# Allegro board RK_EVB1_RK3576_LP4XD200P132SD6_V12_20240530YWQ.brd (continued)
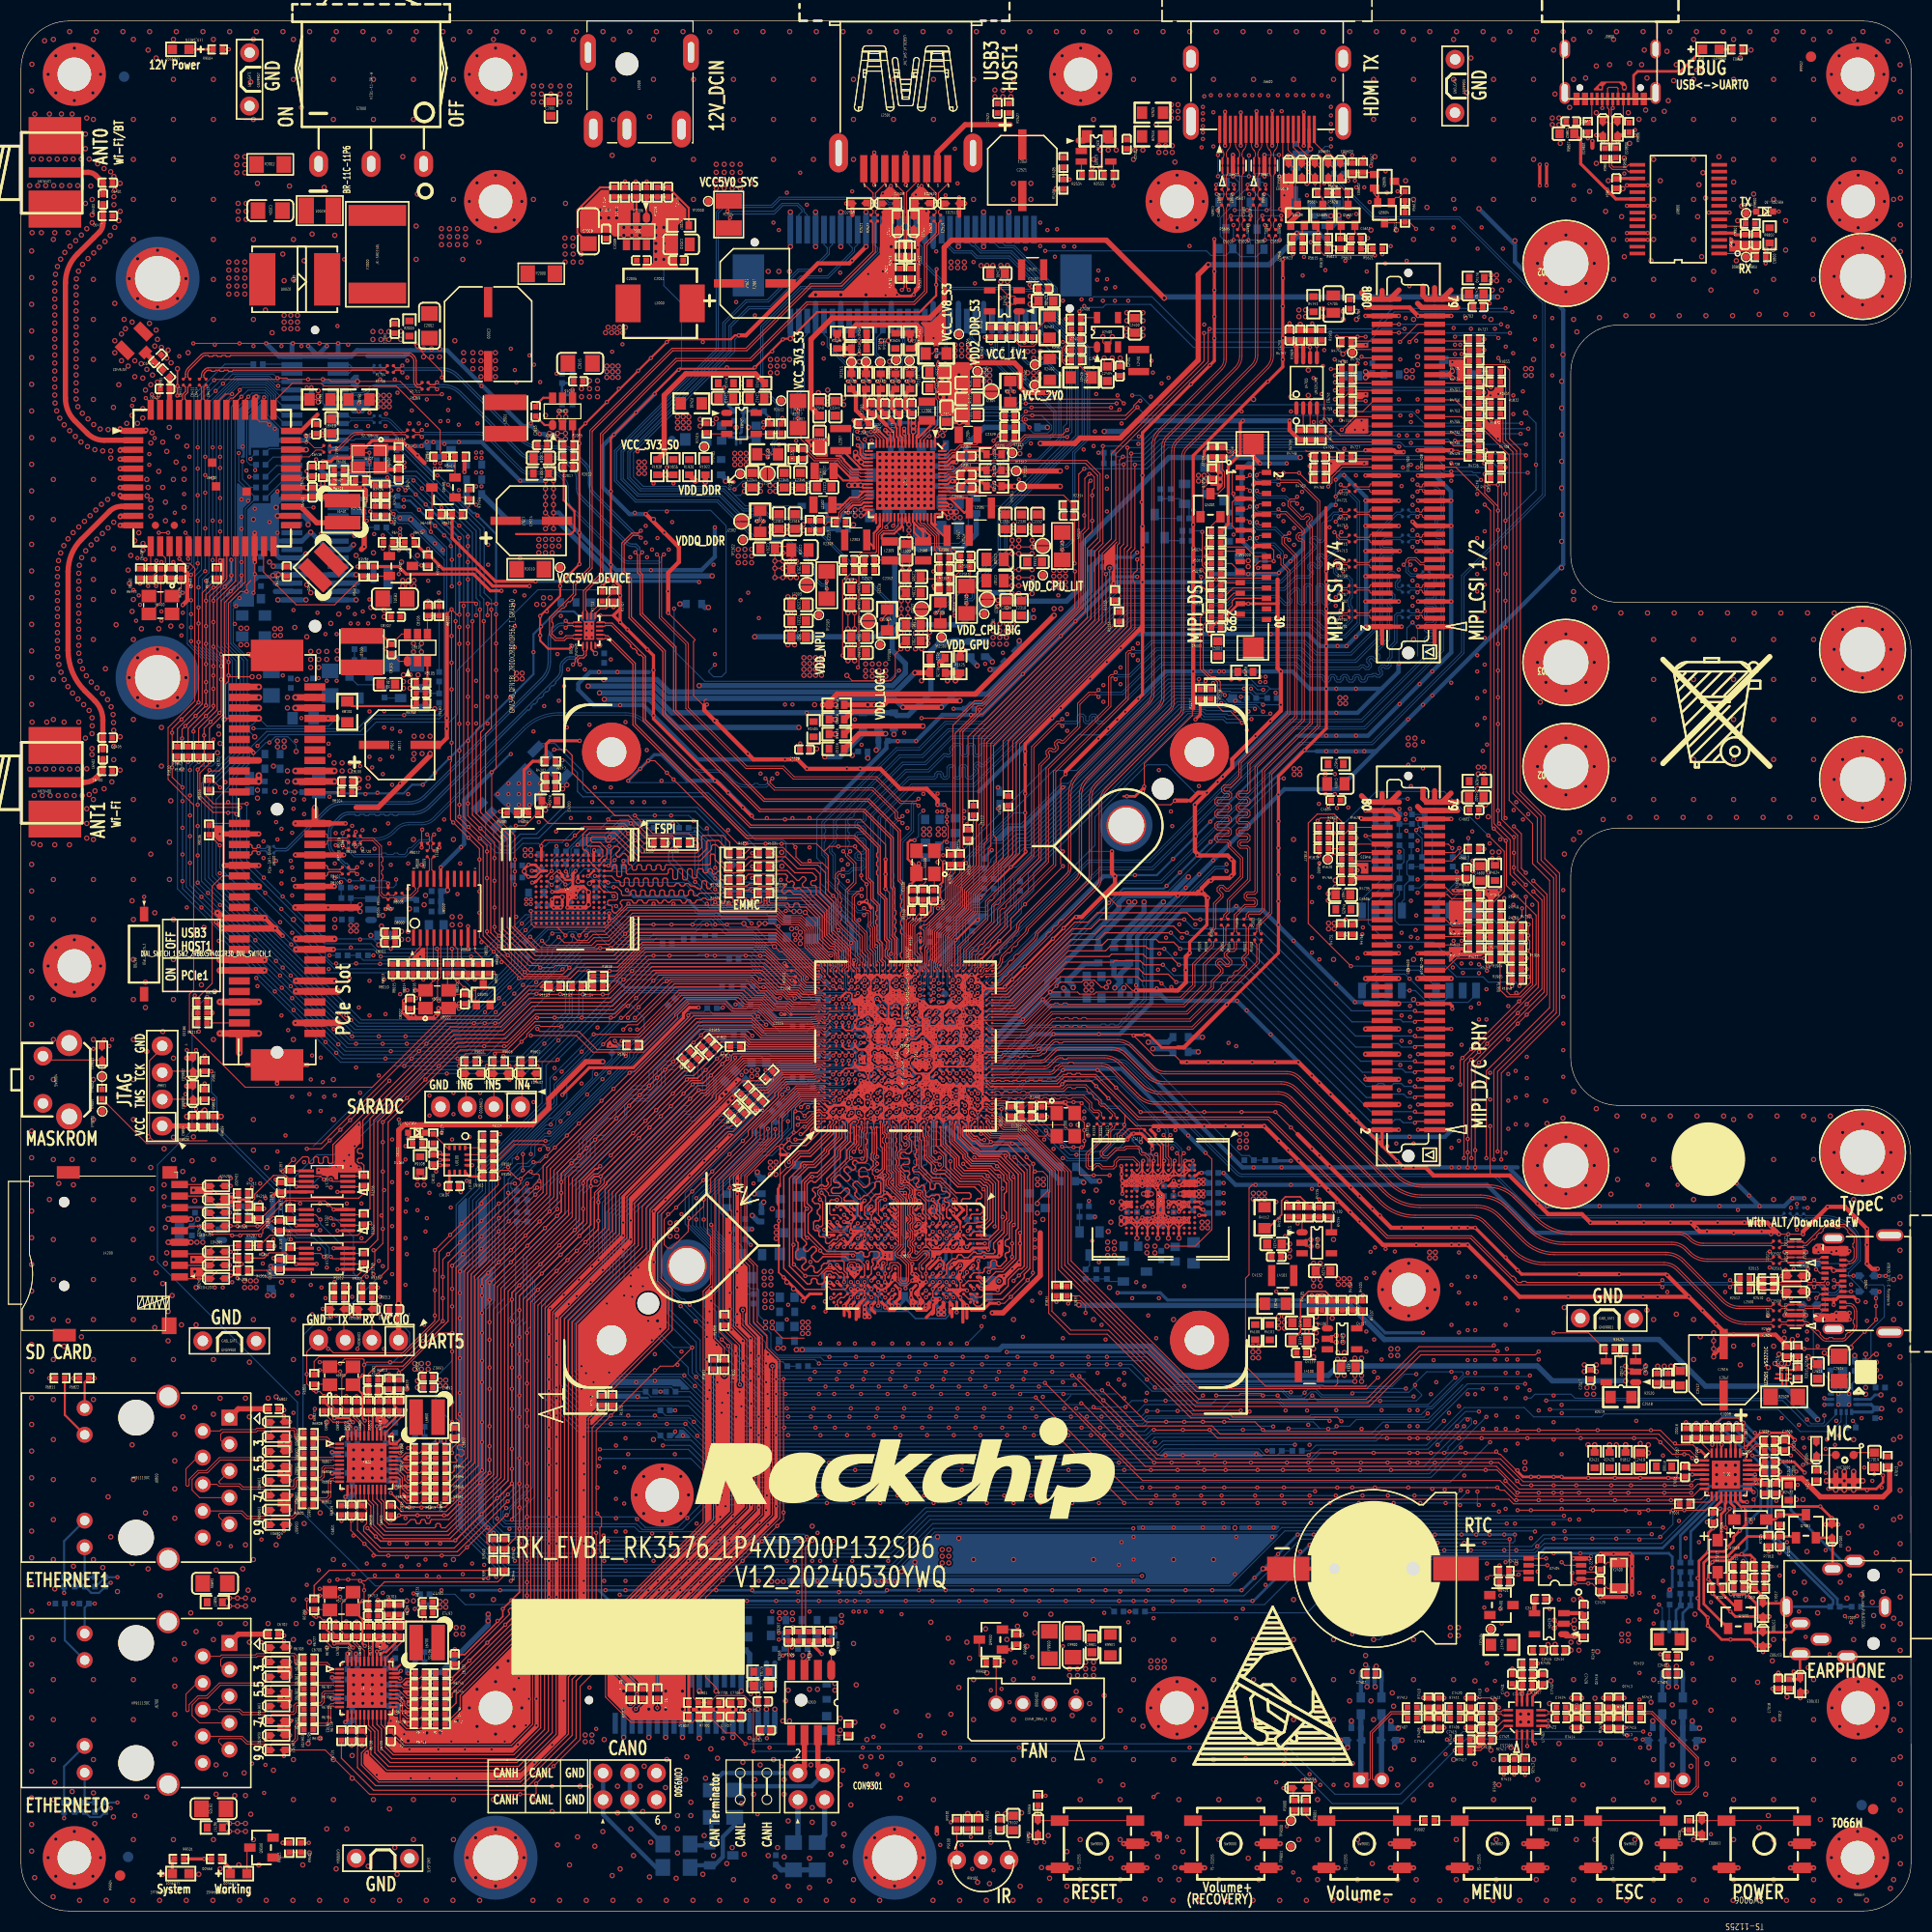
[diagram p0: board, top side]
## Routing (per net, layer and track width the routed paths; a pad name or vN(x,y) marks a point on that pad's centre or on a via; arc(x,y) is an arc through that point) (continued)
GPIO3_B5_D: length 10.3
  TOP w0.089: 75.32,79.87 75.35,79.9 76.97,79.9 U1000.1A9
  TOP w0.114: R1930.1 69.94,78.43 71.03,78.43 72.47,79.87 75.32,79.87
GPIO3_B6_D: length 5.3
  TOP w0.089: 75.72,80.32 75.83,80.44 76.1,80.44 76.37,80.17 U1000.B11
  TOP w0.114: 75.72,80.32 71.91,80.32 R1931.1
GPIO3_C2_D: length 7
  TOP w0.089: U1000.B9 76.37,79.07 76.1,79.34 75.75,79.34 75.63,79.21
  TOP w0.114: 75.63,79.21 72.77,79.21 R1932.1
GPIO3_C3_D: length 9.8
  TOP w0.089: U1000.1A8 77.02,79.35 76.43,79.35 76.26,79.52 75.65,79.52 75.56,79.43
  TOP w0.114: 75.56,79.43 72.64,79.43 71.13,77.92 70.8,77.92 R1933.1
GPIO3_C5_D: length 184.6
  TOP w0.102: U1000.1B9 v1(77.34,79.67) ; R1946.1 R1947.1 140.87,94.71 v1(141.43,94.14)
  L4-SIG w0.102: v1(141.43,94.14) 141.77,93.8 141.77,90.75 142.53,89.99 142.53,88.97 143.06,88.45 143.06,73.87 142.53,73.35 142.53,66.62 143.25,65.9 v1(143.25,50.21)
  BOTTOM w0.102: v1(77.34,79.67) 77.18,79.83 72.6,79.83 67.86,75.1 66.56,75.1 57.72,66.26 57.72,62.3 57.44,62.03 57.44,60.15 53.03,55.74 53.03,51.51 53.66,50.87 62.81,50.87 68.78,44.9 107.1,44.9 107.67,45.47 128.63,45.47 129.71,46.55 134.11,46.55 137.76,50.21 v1(143.25,50.21)
GPIO3_D4_D: length 82.6
  TOP w0.102: U1000.1E12 v1(79.14,81.47)
  L4-SIG w0.102: v1(54.74,69.5) 54.74,68.99 53.5,67.76 38.29,67.76 32.81,73.25 32.81,96.59 v1(31.92,97.48)
  BOTTOM w0.102: v1(54.74,69.5) 55.24,69.5 64.46,78.71 64.46,80.49 66.43,82.47 68.62,82.47 68.81,82.27 78.34,82.27 v1(79.14,81.47) ; R1939.1 v1(31.92,97.48) R1941.1
GPIO3_D6_D: length 119.4
  TOP w0.102: v1(78.24,81) U1000.1C10
  BOTTOM w0.102: v1(78.24,81) 77.89,80.65 72.27,80.65 67.89,76.27 65.93,76.27 56.08,66.42 56.08,60.8 51.73,56.45 51.73,50.29 53.89,48.12 63.55,48.12 68.23,43.44 108.31,43.44 108.88,44.01 117.9,44.01 118.51,43.4 119.64,43.4 R1945.1 R1943.1
GPIO4_A2_D: length 7.5
  TOP w0.102: v1(78.55,77.87) 78.57,77.9 U1000.1D6
  BOTTOM w0.102: R1802.1 72.61,77.32 72.91,77.32 73.56,77.97 76.98,77.97 77.25,78.24 78.18,78.24 v1(78.55,77.87)
GPIO4_A3_D: length 7
  TOP w0.102: U1000.1C6 77.99,77.91 v1(77.99,77.91)
  BOTTOM w0.102: v1(77.99,77.91) 77.96,77.89 77.61,77.54 77.17,77.54 77.14,77.57 73.91,77.57 72.68,76.34 72.68,75.97 R1803.1
GPIO4_A4_D: length 28.8
  TOP w0.102: U1000.1C5 v1(77.95,77.27)
  BOTTOM w0.102: R1804.1 R1805.1 68.75,60.91 67.92,61.74 67.92,63.07 66.21,64.78 66.21,68.26 70.28,72.33 71.13,72.33 73.4,74.61 73.4,76.35 74.21,77.16 76.88,77.16 77.18,76.85 77.54,76.85 77.95,77.26 v1(77.95,77.27)
GPIO4_A5_D: length 8.5
  TOP w0.102: v1(77.34,77.87) U1000.1B6
  BOTTOM w0.102: v1(77.34,77.87) 77.24,77.77 73.74,77.77 70.75,74.78 R1806.1
GPIO4_A6_D: length 38.4
  TOP w0.102: v1(77.41,77.18) 77.41,77.33 U1000.1B5
  BOTTOM w0.102: R1807.1 R1809.1 72.55,52.31 71.3,52.31 70.61,53.01 70.61,53.94 67.86,56.69 67.86,61.23 67.52,61.57 67.52,62.9 65.37,65.04 65.37,68.08 70.26,72.97 71.05,72.97 72.43,74.35 72.43,75.11 73.05,75.73 73.05,76.32 74.09,77.36 77.05,77.36 77.23,77.18 v1(77.41,77.18)
GPIO4_A7_D: length 26.2
  TOP w0.102: U1000.A7 75.99,77.96 74.06,77.96 70.78,74.68 70.78,73.48 66.86,69.57 66.86,56.81 R1808.1
GPIO4_B3_D: length 33.8
  TOP w0.089: U1000.1A6 76.96,78.25 76.43,78.25 76.26,78.42 75.73,78.42 75.67,78.37
  TOP w0.102: R1811.1 R1810.1 66.99,53.68 66.08,54.58 66.08,69.72 70.02,73.65 70.02,74.49 73.9,78.37 75.67,78.37
GPIO4_C0_D: length 100.4
  TOP w0.102: v1(120.94,49.4) 120.87,49.47 111.93,49.47 99.71,61.7 99.71,70.42 95.31,74.81 93.72,74.81 93.04,75.49 92.38,75.49 92.1,75.77 U1000.AK3 ; v1(123.62,100.51) R1828.1 R1827.1 R1829.1
  L4-SIG w0.102: v1(120.94,49.4) 121.33,49.79 121.33,63.7 124.01,66.38 124.01,91.89 123.87,92.03 123.87,95.44 124.01,95.58 124.01,100.13 v1(123.62,100.51)
GPIO4_C2_D: length 160.3
  TOP w0.102: R1831.1 R1830.1 141.14,142.34 141.14,139.9 142.09,138.95 142.09,106.45 144.41,104.12 144.41,99.93 145.96,98.38 145.96,85.79 140.27,80.09 v1(140.27,71.57) ; U1000.AL2 93.03,75.22 93.64,74.61 95.23,74.61 99.4,70.44 99.4,61.5 112.16,48.74 128.13,48.74 133.13,53.74 140.14,53.74 v1(140.27,53.87)
  L4-SIG w0.102: v1(140.27,71.57) v1(140.27,53.87)
GPIO4_C3_D: length 165.9
  TOP w0.102: v1(140.63,53.32) 133.17,53.32 128.26,48.41 111.99,48.41 99.1,61.3 99.1,70.45 95.14,74.41 93.56,74.41 93.02,74.94 92.38,74.94 92.22,75.1 92.22,75.33 92.06,75.49 91.72,75.49 U1000.1AE2 ; v1(140.63,72.33) 140.63,79.95 146.22,85.54 146.22,98.63 144.77,100.08 144.77,104.27 142.44,106.59 142.44,139.03 141.39,140.09 141.39,145.13 R1832.1 R1833.1
  L4-SIG w0.102: v1(140.63,53.32) v1(140.63,72.33)
GPIO4_C4_D: length 99.4
  TOP w0.102: v1(129.23,50.8) 128.19,49.76 112.15,49.76 100.01,61.9 100.01,70.4 95.4,75.02 93.81,75.02 93.13,75.69 92.57,75.69 U1000.AL3
  L4-SIG w0.102: v1(132.25,87.66) 131.96,87.66 130.48,86.19 130.48,62.57 129.23,61.31 129.23,54.15 v1(129.23,50.8)
  BOTTOM w0.102: SW1801.1 138.58,87.3 137.82,86.54 133.97,86.54 arc(133.92,86.55) 133.88,86.58 132.83,87.63 arc(132.79,87.65) 132.74,87.66 v1(132.25,87.66) SW1800.1
GPIO4_C5_D: length 20.4
  TOP w0.102: R1835.1 R1834.1 98.49,59.61 98.49,70.49 94.98,74 93.4,74 93.36,74.04 92.44,74.04 91.94,74.54 U1000.AK1
GPIO4_C6_D: length 108.9
  TOP w0.102: v1(125.75,46.64) 125.36,47.03 115.39,47.03 115.1,47.32 111.57,47.32 103.58,55.32 99.99,55.32 98.19,57.12 98.19,70.51 94.89,73.8 93.32,73.8 93.28,73.84 92.36,73.84 91.67,74.53 91.67,74.94 U1000.1AE1
  L4-SIG w0.102: v1(125.75,46.64) 125.75,47.17 128.51,49.94 128.51,62.12 129.77,63.38 129.77,86.31 v1(132.25,88.79)
  BOTTOM w0.102: SW1800.3 128.98,88.37 129.83,89.23 131.81,89.23 v1(132.25,88.79) 134.29,86.74 135.61,86.74 136.04,87.17 SW1801.3
GPIO4_C7_D: length 108.5
  TOP w0.102: U1000.AJ1 91.39,74.52 92.28,73.64 93.19,73.64 93.24,73.6 94.81,73.6 97.98,70.42 97.98,68.5 97.88,68.4 97.88,56.92 99.86,54.94 103.45,54.94 111.43,46.96 114.95,46.96 115.1,46.81 124.5,46.81 v1(124.63,46.68)
  L4-SIG w0.102: v1(132.12,89.61) 131.49,89.61 129.06,87.18 129.06,63.94 127.14,62.02 127.14,57.45 124.5,54.81 124.5,46.81 v1(124.63,46.68)
  BOTTOM w0.102: SW1801.4 134.77,87.92 arc(134.76,87.97) 134.73,88.01 133.17,89.57 arc(133.13,89.6) 133.08,89.61 v1(132.12,89.61) 129.42,89.61 127.71,87.89 SW1800.4
GSENSOR_INT_L: length 20.5
  TOP w0.102: R9110.1 36.88,73.51 v1(36.88,73.57) 36.87,73.57 D9100.1
  L4-SIG w0.102: v1(33.56,91.01) 33.56,76.88 v1(36.88,73.57)
  BOTTOM w0.102: R1824.2 v1(33.56,91.01)
HDMI_TX0N: length 7
  TOP w0.089: J5600.9 118.17,169.68 118.17,168.22 arc(118.12,167.99) 117.99,167.79 arc(117.95,167.75) 117.92,167.71 arc(117.83,167.54) 117.79,167.35 117.79,167.2 arc(117.81,167.08) 117.88,166.98 arc(117.91,166.89) 117.92,166.78 ED5601.9 ED5601.2 117.92,165.63 arc(117.9,165.49) 117.85,165.37 arc(117.8,165.3) 117.78,165.22 117.78,164.47 arc(117.84,164.2) R5606.1 117.92,163.9 arc(117.82,163.74) 117.78,163.56 117.78,163.43 arc(117.82,163.27) 117.91,163.12 C5601.2
HDMI_TX0P: length 7
  TOP w0.089: C5600.2 117.43,163.12 arc(117.53,163.27) 117.56,163.43 117.56,163.56 arc(117.53,163.74) 117.42,163.9 R5607.1 arc(117.51,164.2) 117.56,164.47 117.56,165.24 arc(117.55,165.3) 117.52,165.34 arc(117.45,165.48) 117.42,165.63 ED5601.1 ED5601.10 117.42,166.78 arc(117.44,166.9) 117.48,167.01 arc(117.54,167.1) 117.56,167.2 117.56,167.38 arc(117.52,167.54) 117.44,167.68 arc(117.41,167.72) 117.38,167.75 117.38,167.75 arc(117.23,167.98) 117.17,168.26 117.17,169.68 J5600.7
HDMI_TX1N: length 9.9
  TOP w0.089: ED5600.6 116.42,166.66 ; 116.42,166.66 116.42,165.79 ; 116.42,166.66 116.42,166.78 arc(116.41,166.89) 116.38,166.98 arc(116.31,167.08) 116.29,167.2 116.29,167.35 arc(116.33,167.54) 116.42,167.71 arc(116.45,167.75) 116.49,167.79 arc(116.62,167.99) 116.67,168.22 J5600.6 ; 116.42,165.79 116.42,165.63 arc(116.4,165.49) 116.35,165.37 arc(116.3,165.3) 116.28,165.22 116.28,161.55 arc(116.34,161.28) R5604.1 116.43,160.98 arc(116.32,160.82) 116.28,160.64 116.28,160.59 arc(116.33,160.35) 116.47,160.15 C5603.2 ; 116.42,165.79 ED5600.5
HDMI_TX1P: length 9.9
  TOP w0.089: J5600.4 115.67,168.26 arc(115.73,167.98) 115.88,167.75 115.88,167.75 arc(116,167.58) 116.06,167.38 116.06,167.2 arc(116.04,167.1) 115.98,167.01 arc(115.94,166.9) 115.92,166.78 115.92,166.78 ED5600.7 ED5600.4 115.92,165.63 115.92,165.63 arc(115.95,165.48) 116.02,165.34 arc(116.05,165.3) 116.06,165.24 116.06,161.56 arc(116.01,161.28) R5605.1 115.92,160.97 arc(116.03,160.82) 116.06,160.64 116.06,160.62 arc(116.01,160.36) C5602.2
HDMI_TX2N: length 7
  TOP w0.089: J5600.3 115.17,169.68 115.17,168.22 arc(115.12,167.99) 114.99,167.79 arc(114.95,167.75) 114.92,167.71 arc(114.83,167.54) 114.79,167.35 114.79,167.2 arc(114.81,167.08) 114.88,166.98 arc(114.91,166.89) 114.92,166.78 114.92,166.78 ED5600.9 ED5600.2 114.92,165.63 114.92,165.63 arc(114.9,165.49) 114.85,165.37 arc(114.8,165.3) 114.78,165.22 114.78,164.47 arc(114.84,164.2) R5602.1 114.93,163.9 arc(114.82,163.74) 114.78,163.56 114.78,163.43 arc(114.82,163.26) 114.92,163.12 C5605.2
HDMI_TX2P: length 7
  TOP w0.089: 114.42,166.66 114.42,166.78 arc(114.44,166.9) 114.48,167.01 arc(114.54,167.1) 114.56,167.2 114.56,167.38 arc(114.52,167.54) 114.44,167.68 arc(114.41,167.72) 114.38,167.75 114.38,167.75 arc(114.23,167.98) 114.17,168.26 114.17,169.68 J5600.1 ; 114.42,166.66 ED5600.10 ; 114.42,166.66 114.42,165.79 ; C5604.2 114.43,163.13 arc(114.53,163.27) 114.56,163.43 114.56,163.56 arc(114.53,163.74) 114.42,163.89 R5603.1 arc(114.51,164.2) 114.56,164.48 114.56,165.24 arc(114.55,165.3) 114.52,165.34 arc(114.45,165.48) 114.42,165.63 114.42,165.79 ; ED5600.1 114.42,165.79
HDMI_TX3N: length 9.9
  TOP w0.089: J5600.12 119.67,168.22 arc(119.62,167.99) 119.49,167.79 arc(119.45,167.75) 119.42,167.71 arc(119.33,167.54) 119.29,167.35 119.29,167.2 arc(119.31,167.08) 119.38,166.98 arc(119.41,166.89) 119.42,166.78 ED5601.6 ED5601.5 119.42,165.63 arc(119.4,165.49) 119.35,165.37 arc(119.3,165.3) 119.28,165.22 119.28,161.55 arc(119.34,161.28) R5600.1 119.42,160.97 arc(119.32,160.82) 119.28,160.64 119.28,160.51 arc(119.32,160.34) 119.41,160.2 C5607.2
HDMI_TX3P: length 9.9
  TOP w0.089: C5606.2 118.93,160.2 arc(119.03,160.34) 119.06,160.51 119.06,160.64 arc(119.03,160.82) 118.92,160.98 R5601.1 arc(119.01,161.28) 119.06,161.55 119.06,165.24 arc(119.05,165.3) 119.02,165.34 arc(118.96,165.44) 118.93,165.55 118.92,165.56 ED5601.4 ED5601.7 118.92,166.78 arc(118.94,166.9) 118.98,167.01 arc(119.04,167.1) 119.06,167.2 119.06,167.38 arc(119,167.58) 118.88,167.75 118.88,167.75 arc(118.73,167.98) 118.67,168.26 J5600.10
HDMI_TX/EDP_TX_AVDD1V8: length 54
  TOP w0.229: U1000.2P10 v1(88.47,84.97) U1000.2N10
  L4-SIG w0.089: 89.9,85.29 90.28,85.29 ; 89.9,85.29 90.09,85.1 ; 89.9,85.29 89.63,85.29 ; 90.28,85.29 90.55,85.29 ; 90.28,85.29 90.09,85.1 ; 89.25,85.29 89.44,85.1 ; 89.25,85.29 89.63,85.29 ; 89.25,85.29 88.98,85.29 ; 89.44,85.1 89.63,85.29 ; 89.44,85.1 89.44,84.83 ; v1(88.47,84.97) 88.47,85.2 88.56,85.29 88.98,85.29 ; 89.24,84.64 89.44,84.83 ; 89.44,84.83 89.64,84.64 ; 90.74,85.1 90.74,84.83 ; 90.74,85.1 90.93,85.29 ; 90.74,85.1 90.55,85.29 ; 90.74,84.83 90.94,84.64 ; 90.74,84.83 90.54,84.64 ; 90.93,85.29 91.35,85.29 91.67,84.97 ; 90.93,85.29 90.55,85.29 ; 88.98,85.29 88.66,84.97 88.65,84.97 ; 90.09,84.83 89.89,84.64 ; 90.09,84.83 90.09,85.1 ; 90.09,84.83 90.29,84.64
  L4-SIG w0.102: 91.67,84.97 91.34,84.64 88.98,84.64 ; 88.98,84.64 88.57,84.64 88.47,84.74 v1(88.47,84.97) 88.65,84.97 88.98,84.64
  L4-SIG w0.508: v2(91.06,118.61) 95.04,114.63 95.04,111.96 96.23,110.76 96.23,89.53 91.67,84.97
  BOTTOM w0.305: v1(88.47,84.97) 88.44,84.97 C1602.1 88.4,84.43 C1603.1 88.78,84.65 v1(88.47,84.97)
  BOTTOM w0.508: v2(91.06,118.61) 90.41,119.26 R1602.1
HDMI_TX_CEC_M0: length 60.7
  TOP w0.102: R5623.1 v1(121.13,157.79) ; R1827.2 v1(125.01,102.67)
  L4-SIG w0.102: v1(125.01,102.67) 125.01,103.07 128.4,106.46 128.4,142.35 126.41,144.34 126.41,152.51 v1(121.13,157.79)
HDMI_TX_CEC_PORT: length 7.9
  TOP w0.102: Q5608.3 121.38,162.63 121.38,165.83 120.81,166.41 ED5605.1 120.17,166.95 J5600.13
HDMI_TX_D0N: length 84.6
  TOP w0.089: C5601.1 117.88,162.39 arc(117.81,162.28) 117.78,162.16 117.78,148.15 arc(117.67,147.58) 117.34,147.09 110.15,139.9 arc(109.9,139.52) 109.81,139.07 109.81,114.99 arc(109.74,114.64) 109.54,114.34 102.56,107.36 arc(102.11,106.69) 101.95,105.9 101.95,98.7 arc(101.86,98.22) 101.59,97.81 99.8,96.02 96.91,93.14 arc(96.84,93.03) 96.81,92.91 arc(96.77,92.67) 96.64,92.47 93.39,89.23 arc(93.15,89.07) 92.87,89.01 91.99,89.01 U1000.AK27
HDMI_TX_D0P: length 85.1
  TOP w0.089: C5600.1 117.46,162.39 arc(117.54,162.28) 117.56,162.16 117.56,148.15 arc(117.46,147.66) 117.18,147.24 109.99,140.05 arc(109.69,139.6) 109.59,139.07 109.59,114.99 arc(109.53,114.72) 109.38,114.5 102.4,107.52 arc(101.9,106.77) 101.73,105.9 101.73,98.7 arc(101.65,98.31) 101.43,97.97 99.64,96.18 96.75,93.3 arc(96.63,93.12) 96.59,92.91 arc(96.56,92.76) 96.48,92.63 94.96,91.12 94.77,91.12 94.57,90.92 94.57,90.73 94.37,90.53 94.18,90.53 93.99,90.33 93.99,90.14 93.23,89.38 arc(93.06,89.27) 92.87,89.24 91.83,89.24 91.56,88.97 U1000.1AE24
HDMI_TX_D1N: length 79.9
  TOP w0.089: C5603.1 116.47,159.56 arc(116.33,159.36) 116.28,159.12 116.28,148.1 arc(116.15,147.42) 115.77,146.85 109.23,140.31 arc(108.96,139.91) 108.86,139.43 108.86,115.62 arc(108.75,115.05) 108.43,114.57 101.7,107.84 arc(101.19,107.07) 101.01,106.17 101.01,99.08 arc(100.91,98.61) 100.65,98.22 95.98,93.55 arc(95.94,93.49) 95.93,93.42 arc(95.89,93.24) 95.79,93.09 94.94,92.24 94.94,92.05 94.74,91.85 94.55,91.85 94.35,91.65 94.35,91.46 94.15,91.27 93.96,91.27 93.57,90.87 arc(93.51,90.77) 93.48,90.66 93.48,90.62 arc(93.41,90.24) 93.2,89.92 93,89.73 arc(92.83,89.62) 92.63,89.58 92.55,89.58 U1000.AL28
HDMI_TX_D1P: length 80
  TOP w0.089: C5602.1 115.88,159.55 arc(116.01,159.35) 116.06,159.12 116.06,148.1 arc(115.94,147.51) 115.61,147.01 109.07,140.47 arc(108.75,139.99) 108.64,139.43 108.64,115.62 arc(108.54,115.13) 108.27,114.73 101.54,108 arc(100.98,107.16) 100.78,106.17 100.78,99.08 arc(100.71,98.7) 100.49,98.38 95.82,93.71 arc(95.73,93.57) 95.7,93.42 arc(95.68,93.33) 95.63,93.25 93.41,91.03 arc(93.3,90.86) 93.26,90.66 93.26,90.62 arc(93.2,90.33) 93.04,90.08 92.84,89.89 arc(92.75,89.82) 92.63,89.8 92.39,89.8 92.11,89.52 U1000.AK28
HDMI_TX_D2N: length 81.7
  TOP w0.089: U1000.AK29 91.94,90.26 92.16,90.47 92.35,90.47 92.56,90.69 92.56,90.88 92.78,91.1 92.97,91.1 93.18,91.31 93.18,91.5 94.81,93.13 arc(94.98,93.38) 95.04,93.67 arc(95.09,93.92) 95.23,94.14 99.71,98.62 arc(99.92,98.93) 99.99,99.3 99.99,106.27 arc(100.21,107.38) 100.84,108.32 107.47,114.95 arc(107.8,115.44) 107.91,116.02 107.91,139.52 arc(108.07,140.28) 108.49,140.92 114.38,146.81 arc(114.68,147.25) 114.78,147.77 114.78,162.01 arc(114.84,162.27) C5605.1
HDMI_TX_D2P: length 82.2
  TOP w0.089: U1000.AJ28 91.39,89.61 91.66,89.88 91.66,90.29 92.96,91.59 94.66,93.29 arc(94.77,93.46) 94.81,93.67 arc(94.88,94.01) 95.07,94.3 99.55,98.77 arc(99.71,99.01) 99.77,99.3 99.77,106.27 arc(100,107.46) 100.68,108.48 107.31,115.11 arc(107.59,115.53) 107.69,116.02 107.69,139.52 arc(107.86,140.36) 108.34,141.08 114.22,146.96 arc(114.47,147.33) 114.56,147.77 114.56,162.01 arc(114.51,162.27) C5604.1
HDMI_TX_D3N: length 83.4
  TOP w0.089: C5607.1 119.38,159.47 arc(119.31,159.36) 119.28,159.24 119.28,148.15 arc(119.15,147.49) 118.77,146.92 111.04,139.19 arc(110.83,138.87) 110.76,138.5 110.76,114.63 arc(110.66,114.13) 110.38,113.71 103.48,106.82 arc(103.05,106.17) 102.9,105.41 102.9,98.36 arc(102.8,97.83) 102.5,97.39 93.42,88.31 arc(93.24,88.19) 93.04,88.15 92.21,88.15 U1000.AK26
HDMI_TX_D3P: length 82.8
  TOP w0.089: U1000.AL26 92.54,88.37 93.04,88.37 arc(93.16,88.4) 93.26,88.46 93.47,88.68 93.47,88.8 93.69,89.02 93.82,89.02 94.03,89.24 94.03,89.36 94.25,89.58 94.37,89.58 97.64,92.84 97.64,93.03 97.83,93.23 98.02,93.23 98.22,93.43 98.22,93.62 98.42,93.81 98.61,93.81 98.81,94.01 98.81,94.2 99.01,94.4 99.2,94.4 102.34,97.54 arc(102.59,97.92) 102.68,98.36 102.68,105.41 arc(102.84,106.26) 103.32,106.97 110.22,113.87 arc(110.45,114.22) 110.53,114.63 110.53,138.5 arc(110.62,138.96) 110.88,139.34 118.62,147.08 arc(118.95,147.57) 119.06,148.15 119.06,159.12 arc(119.01,159.35) 118.88,159.56 C5606.1
HDMI_TX_HPDIN_M0: length 188.5
  TOP w0.102: v1(144.54,53.28) 144.22,52.96 133.32,52.96 128.41,48.05 111.85,48.05 98.8,61.1 98.8,70.47 95.06,74.21 93.48,74.21 93.44,74.24 92.53,74.24 92.22,74.55 92.22,74.78 91.94,75.06 U1000.AK2 ; v1(132.87,160.2) 132.21,160.86 R5611.2 131.45,160.86 131.37,160.78 Q5604.3
  L4-SIG w0.102: v1(144.54,53.28) 144.54,66.26 143.57,67.23 143.57,72.87 144.41,73.71 144.41,104.11 141.73,106.79 141.73,141.13 142.48,141.87 142.48,150.59 140.61,152.45 139.94,152.45 132.87,159.53 v1(132.87,160.2)
HDMI_TX_ON_H: length 143.4
  TOP w0.102: v1(56.56,82.88) 56.97,82.46 R1907.2
  L4-SIG w0.102: v1(56.56,82.88) 56.56,93.29 58.35,95.08 58.35,100.9 56.94,102.31 56.94,106.12 60.11,109.29 60.11,113.36 59.6,113.86 59.6,118.82 55.79,122.63 55.79,139.38 71.94,155.52 82.1,155.52 82.9,156.33 86.61,156.33 86.92,156.01 90.58,156.01 90.85,156.28 95.71,156.28 v1(97.54,158.11)
  BOTTOM w0.102: Q5602.1 114.21,159.51 114.21,161.23 115.4,162.43 Q5601.1 116.58,163.91 117.2,163.91 Q5603.1 ; Q5602.1 114.76,157.68 113.32,157.68 112.9,158.11 v1(97.54,158.11) ; Q5602.1 116.17,157.55 117.66,157.55 Q5600.1
HDMI_TX_REXT/EDP_TX_REXT: length 1
  TOP w0.102: U1000.1AA20 v1(89.34,86.87)
  BOTTOM w0.089: R1600.1 89.8,86.87 v1(89.34,86.87)
HDMI_TX_SBDN: length 123
  TOP w0.089: U1000.2U12 v1(91.07,85.62)
  BOTTOM w0.089: C5609.1 125.61,165.09 125.61,164.69 128.95,161.36 137.01,161.36 145.14,153.23 145.14,134.82 137.42,127.11 137.42,119.8 128.71,111.08 121.81,111.08 108.63,97.9 104.75,97.9 93.18,86.33 91.45,86.33 91.07,85.95 v1(91.07,85.62)
HDMI_TX_SBDP: length 123.7
  TOP w0.089: U1000.2T12 v1(90.42,85.62)
  BOTTOM w0.089: C5608.1 125.39,165.1 125.39,164.6 128.85,161.14 136.92,161.14 144.92,153.14 144.92,134.91 137.2,127.2 137.2,119.89 128.61,111.31 121.72,111.31 108.54,98.13 104.66,98.13 95.34,88.8 95.15,88.8 94.95,88.61 94.95,88.42 94.64,88.11 94.45,88.11 94.25,87.91 94.25,87.72 93.68,87.14 93.49,87.14 93.29,86.95 93.29,86.76 93.09,86.56 92.39,86.56 92.26,86.69 91.98,86.69 91.84,86.56 91.36,86.56 91.09,86.29 90.9,86.29 90.7,86.09 90.7,85.9 v1(90.42,85.62)
HDMI_TX_SCL: length 29.3
  TOP w0.102: R1830.2 v1(140,142.06) ; v1(128.95,157.68) 124.13,157.68 R5615.1
  L4-SIG w0.102: v1(128.95,157.68) 129.41,158.14 132.29,158.14 140.35,150.09 140.35,142.41 v1(140,142.06)
HDMI_TX_SCL_PORT: length 9
  TOP w0.102: Q5605.3 123.98,163.12 R5614.2 123.74,163.88 123.74,165.98 123.32,166.41 ED5604.1 122.64,166.99 122.14,166.99 121.17,167.96 J5600.15
HDMI_TX_SDA: length 19.5
  TOP w0.102: R5621.1 v1(129.65,157.79) ; R1832.2 v1(140,145.11)
  L4-SIG w0.102: v1(129.65,157.79) 132.26,157.79 140,150.06 v1(140,145.11)
HDMI_TX_SDA_PORT: length 10.2
  TOP w0.102: Q5607.3 126.39,163.56 R5620.2 125.8,164.15 125.31,164.15 125.01,164.45 125.01,165.97 124.75,166.23 124.65,166.23 ED5603.1 123.68,167.2 122.51,167.2 121.67,168.04 J5600.16
HDMITX_HPDIN/HDMITX_SBDN: length 7.6
  TOP w0.089: R5616.2 v1(126.79,167.2)
  TOP w0.102: R5616.2 126.72,166.41 ED5602.1 124.71,167.33 124.29,167.33 123.17,168.45 J5600.19
  BOTTOM w0.089: v1(126.79,167.2) 126.79,167.17 C5609.2
HDMITX_SBDP: length 7.3
  TOP w0.089: v1(122.63,166.41) ED5606.1 120.67,167.7 J5600.14
  BOTTOM w0.089: C5608.2 124.44,166.95 124.12,166.95 123.58,166.41 v1(122.63,166.41)
HOST_WAKE_BT_H: length 114.8
  TOP w0.102: U6400.49 13.25,143.65 v1(12.47,144.44)
  L4-SIG w0.102: v1(12.47,144.44) 12.75,144.16 12.75,141.92 15.82,138.85 v1(20.74,138.85)
  BOTTOM w0.102: v1(20.74,138.85) 20.74,136.21 R6522.1 21.35,133.53 21.35,126.08 19.98,124.71 19.98,120.7 21.55,119.13 21.55,109.93 19.85,108.23 19.85,107.13 18.58,105.86 18.58,98.7 32.42,84.87 41.23,84.87 46.71,90.35 46.71,91.57 49.01,93.87 56.23,93.87 57.41,92.7 59.9,92.7 60.24,93.04 65.05,93.04 R1823.2
HP_CTL_H: length 58.9
  TOP w0.254: R7010.1 v1(166.44,34.25)
  L4-SIG w0.102: v1(164.25,47.19) 166.44,45 v1(166.44,34.25)
  BOTTOM w0.102: v1(164.25,47.19) 164.1,47.34 150.82,47.34 150.54,47.06 144.06,47.06 143.17,47.95 137.45,47.95 133.87,44.37 123.33,44.37 122.79,43.82 R1943.2
HP_DET_L: length 73.5
  TOP w0.102: R7012.1 C7018.1 v1(166.81,21.17)
  L4-SIG w0.102: v1(155.31,35.89) 155.31,30.96 165.09,21.17 v1(166.81,21.17)
  BOTTOM w0.102: R1140.2 107.17,28.39 122.47,28.39 128.79,34.71 143.87,34.71 144.97,35.82 155.24,35.82 v1(155.31,35.89)
HP_GND: length 23.3
  TOP w0.254: v1(163.39,46.47) 163.53,46.34 163.53,45.97 C7004.2
  BOTTOM w0.254: R7004.1 C7014.2 172.99,29.2 172.99,29.72 166.71,36 166.71,43.16 v1(163.39,46.47)
HPOUT_L: length 2.4
  TOP w0.254: C7013.1 163.17,38.49 162.83,38.83 U7000.12
HPOUT_L_C: length 4.5
  TOP w0.254: J7000.3 172.53,35.5 ED7001.1 172.48,35.55 Q7001.2
HPOUT_R: length 4.5
  TOP w0.254: C7012.1 161.92,35.65 161.92,37.8 162.29,38.18 162.29,38.75 162.38,38.84 U7000.11
HPOUT_R_C: length 5.4
  TOP w0.254: J7000.2 168.59,26.54 ED7002.1 164.86,26.54 Q7000.2
I2C0_SCL_M1_TP: length 56.1
  TOP w0.089: 87.41,90.42 87.41,90.32 87.27,90.18 87.27,89.88 87.54,89.61 U1000.AB28
  TOP w0.102: v1(103.67,127.88) 103.67,127.63 103.68,127.62 103.68,122.53 92.37,111.21 92.37,101.42 92.12,101.16 92.12,99.51 89.86,97.26 89.86,95.56 87.41,93.11 87.41,90.42 ; v1(112.42,127.73) 112.82,127.33 112.82,126.82 R5014.1
  BOTTOM w0.102: v1(103.67,127.88) 103.82,128.03 R1138.2 104.39,127.83 112.31,127.83 v1(112.42,127.73)
I2C0_SDA_M1_TP: length 57.5
  TOP w0.089: U1000.1V24 87.26,88.99 87.26,89.63 87.09,89.8 87.09,90.27 87.21,90.39
  TOP w0.102: 87.21,90.39 87.21,93.2 89.66,95.64 89.66,97.41 91.73,99.49 91.73,101.67 91.99,101.93 91.99,111.3 103.33,122.64 v1(103.33,127.32) ; R5015.2 112.4,126.25 v1(112.4,127.07)
  BOTTOM w0.102: v1(112.4,127.07) 111.94,127.53 103.54,127.53 v1(103.33,127.32) 103.06,127.59 R1139.2
I2C1_SCL_M0_RK806: length 94.5
  TOP w0.102: v1(104.62,142.99) 104.46,142.82 v1(95.69,142.82) ; v1(112.82,117.15) 112.82,116.85 R1128.2 ; U2300.17 81.44,140.29 81.22,140.5 80.65,140.5 v1(80.29,140.86)
  L4-SIG w0.102: v1(104.62,142.99) 107.61,140 107.61,134.36 109.51,132.45 109.51,125.55 112.31,122.75 112.31,117.7 112.82,117.19 v1(112.82,117.15)
  BOTTOM w0.102: R1122.2 87.44,94.47 90.72,97.76 90.72,100.4 93.83,103.51 95.23,103.51 99.1,107.39 99.72,107.39 109.31,116.97 112.64,116.97 v1(112.82,117.15) ; v1(80.29,140.86) 80.29,141.13 81.54,142.38 95.25,142.38 v1(95.69,142.82)
I2C1_SDA_M0_RK806: length 96.7
  TOP w0.102: v1(96.24,143.19) v1(103.81,143.19) ; v1(112.18,117.32) 112.18,116.47 R1127.2 ; U2300.15 82.14,140.17 81.09,141.22 79.94,141.22 v1(79.63,140.91)
  L4-SIG w0.102: v1(112.18,117.32) 111.99,117.51 111.99,122.65 109.14,125.5 109.14,132.33 107.23,134.24 107.23,138.41 105.2,140.44 105.2,141.8 v1(103.81,143.19)
  BOTTOM w0.102: v1(112.18,117.32) 109.23,117.32 100.54,108.63 98.33,108.63 89.58,99.87 89.58,97.23 86.55,94.2 R1123.2 ; v1(96.24,143.19) 95.4,143.19 94.93,142.71 81.43,142.71 v1(79.63,140.91)
I2C2_SCL_M0_CC_RTC: length 198.1
  TOP w0.102: v1(105.01,137.77) 105.01,130.17 104.69,129.85 104.69,123.84 R1131.2 ; U2405.6 v1(145.36,32.93)
  L4-SIG w0.102: v1(143.33,138.63) 142.79,138.09 142.79,107.25 145.48,104.57 145.48,78.25 150.76,72.97 150.76,69.53 145.61,64.37 145.61,47.77 v1(145.61,47.77) 145.61,33.17 v1(145.36,32.93)
  BOTTOM w0.102: R1134.2 104.13,137.77 v1(105.01,137.77) 105.34,138.1 106.88,138.1 108.68,139.9 131.36,139.9 131.79,139.47 135.35,139.47 136.05,138.76 143.2,138.76 v1(143.33,138.63) ; U2500.6 173.34,46.63 172.38,45.66 169.45,45.66 167.35,47.77 v1(145.61,47.77)
I2C2_SDA_M0_CC_RTC: length 196.3
  TOP w0.102: v1(104.94,138.5) 104.62,138.18 104.62,130.28 104.4,130.07 104.4,125.96 R1133.2 ; U2405.5 v1(145.26,33.58)
  L4-SIG w0.102: v1(145.26,33.58) v1(145.26,48.61) 145.26,64.52 150.41,69.67 150.41,72.83 145.13,78.11 145.13,104.41 142.44,107.1 142.44,138.79 v1(143.33,139.68)
  BOTTOM w0.102: v1(143.33,139.68) 136.4,139.68 135.9,140.18 108.46,140.18 106.74,138.46 104.98,138.46 v1(104.94,138.5) 104.41,138.5 R1135.2 ; v1(145.26,48.61) 167.78,48.61 170.2,46.2 171.77,46.2 172.84,47.27 U2500.7
I2C3_SCL_M0_AUDIO: length 199.8
  TOP w0.089: U1000.1A4 76.86,77.15 76.43,77.15 76.26,77.32 75.75,77.32 75.75,77.32
  TOP w0.102: v1(136.55,15.29) R7417.1 ; 75.75,77.32 75.58,77.32 75.57,77.33 74.29,77.33 72.49,75.52 72.49,73.59 68.92,70.03 68.92,62.35 69.76,61.51 69.76,56.08 71.03,54.81 71.03,53.67 72.27,52.43 72.27,37.41 64.05,29.19 64.05,20.3 R1801.2 R7701.1 66.25,20.52 68.87,20.52 69.76,19.63 v1(69.76,15.21) ; R7002.1 v1(158.57,46.55)
  L4-SIG w0.102: v1(153.78,16.37) 153.79,16.38 153.79,41.78 v1(158.57,46.55)
  BOTTOM w0.102: v1(69.76,15.21) 119.91,15.21 124.88,10.23 131.48,10.23 v1(136.55,15.29) 137.63,16.37 v1(153.78,16.37)
I2C3_SDA_M0_AUDIO: length 207.4
  TOP w0.089: U1000.B8 76.45,78.61 75.64,78.61 75.6,78.57
  TOP w0.102: v1(136.57,16.33) R7418.1 ; v1(69,15.92) 67.96,16.96 67.12,16.96 R7700.1 R1800.2 63.97,17.98 58.07,17.98 55.67,20.38 55.67,27.73 64.97,37.03 64.97,59.02 65.67,59.73 65.67,64.23 65.37,64.53 65.37,68.2 65.68,68.51 65.68,69.79 69.64,73.74 69.64,74.4 73.81,78.57 75.6,78.57 ; v1(160.53,46.55) R7003.1
  L4-SIG w0.102: v1(154.5,17.09) 154.49,17.1 154.49,40.51 v1(160.53,46.55)
  BOTTOM w0.102: v1(69,15.92) 120.33,15.92 125.13,11.12 131.36,11.12 v1(136.57,16.33) 137.33,17.09 v1(154.5,17.09)
